# KiCad board JCMuac.kicad_pcb
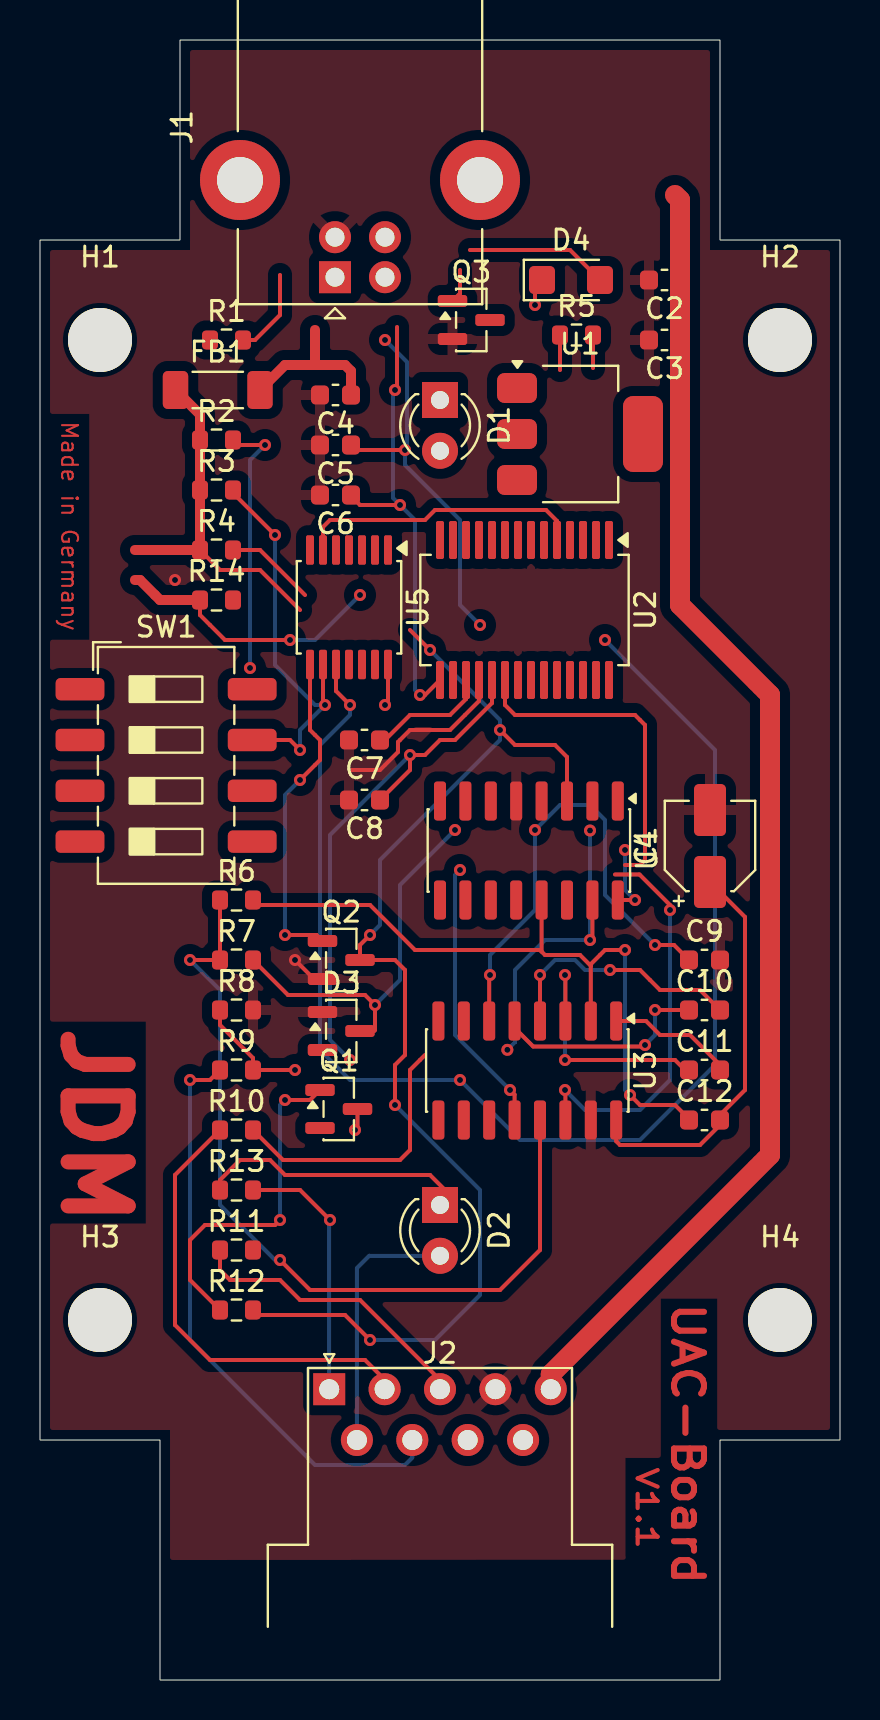
[diagram p0: board, top side]
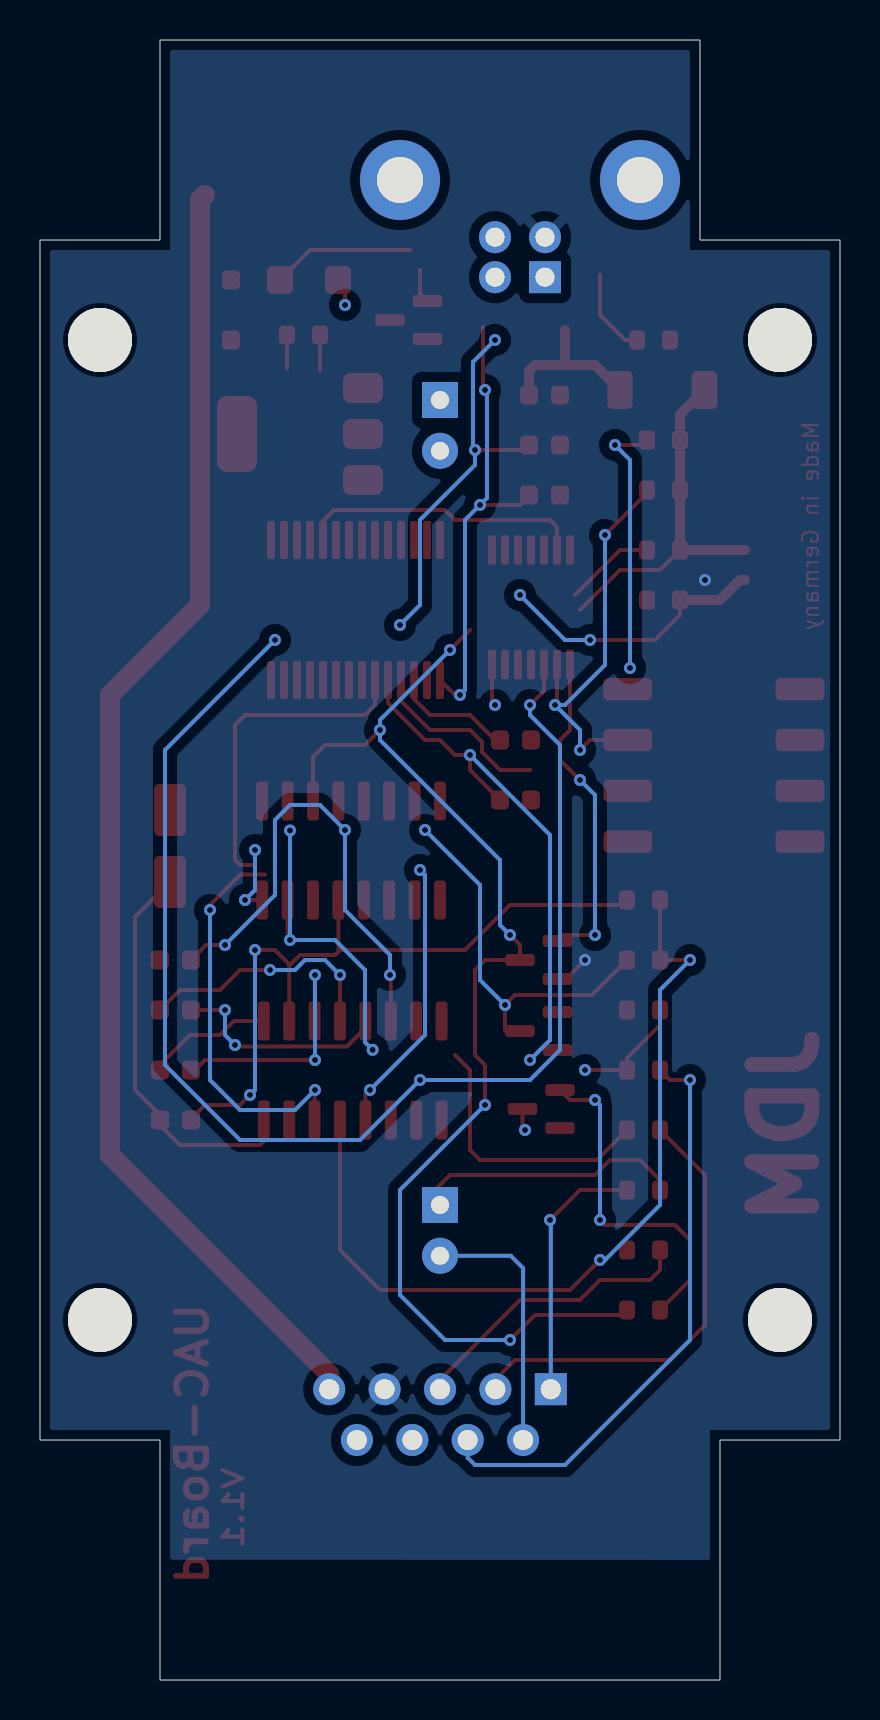
[diagram p1: board, bottom side, seen from below]

Outline 40 x 82 mm; copper layers: Top, Bottom. Coordinates in mm from the lower left corner of the outline.
Outline path: 0,12 0,72 7,72 7,82 34,82 34,72 40,72 40,12 34,12 34,0 6,0 6,12 closed

## Placement (name value [footprint] x y rotation side)
C1  C_Polarized  [CP_Elec_4x3]  33.5 41.7 90 top
C2  C  [C_0603_1608Metric]  31.22 70 180 top
C3  C  [C_0603_1608Metric]  31.22 67 180 top
C4  C  [C_0603_1608Metric]  14.78 64.25 180 top
C5  C  [C_0603_1608Metric]  14.78 61.75 180 top
C6  C  [C_0603_1608Metric]  14.78 59.25 180 top
C7  C  [C_0603_1608Metric]  16.22 47 180 top
C8  C  [C_0603_1608Metric]  16.22 44 180 top
C9  C  [C_0603_1608Metric]  33.22 36 0 top
C10  C  [C_0603_1608Metric]  33.22 33.5 0 top
C11  C  [C_0603_1608Metric]  33.22 30.5 0 top
C12  C  [C_0603_1608Metric]  33.22 28 0 top
D1  LED  [LED_D3.0mm]  20 64 270 top
D2  LED  [LED_D3.0mm]  20 23.75 270 top
D3  BAV99  [SOT-23]  15.06 32.45 0 top
D4  BZD27C15P-M  [D_SMF]  26.55 70 0 top
FB1  FerriteBead  [L_1806_4516Metric]  8.89 64.5 0 top
H1  MountingHole  [MountingHole_3.2mm_M3]  3 67 0 top
H2  MountingHole  [MountingHole_3.2mm_M3]  37 67 0 top
H3  MountingHole  [MountingHole_3.2mm_M3]  3 18 0 top
H4  MountingHole  [MountingHole_3.2mm_M3]  37 18 0 top
J1  USB_B  [USB_B_Lumberg_2411_02_Horizontal]  14.75 70.14 90 top
J2  DE9_Pins  [DSUB-9_Pins_Horizontal_P2.77x2.54mm_EdgePinOffset9.40mm]  14.46 14.54 0 top
Q1  BC807  [SOT-23]  14.94 28.55 0 top
Q2  BSS123  [SOT-23]  15.06 36 0 top
Q3  BSS123  [SOT-23]  21.56 68 0 top
R1  10k  [R_0603_1608Metric]  9.33 67 0 top
R2  10k  [R_0603_1608Metric]  8.83 62 0 top
R3  10k  [R_0603_1608Metric]  8.83 59.5 0 top
R4  10k  [R_0603_1608Metric]  8.83 56.5 0 top
R5  100  [R_0603_1608Metric]  26.82 67.25 0 top
R6  2.2k  [R_0603_1608Metric]  9.83 39 0 top
R7  10k  [R_0603_1608Metric]  9.83 36 0 top
R8  10k  [R_0603_1608Metric]  9.83 33.5 0 top
R9  100  [R_0603_1608Metric]  9.83 30.5 0 top
R10  100  [R_0603_1608Metric]  9.83 27.5 0 top
R11  100  [R_0603_1608Metric]  9.83 21.5 0 top
R12  10k  [R_0603_1608Metric]  9.83 18.5 0 top
R13  1k  [R_0603_1608Metric]  9.83 24.5 0 top
R14  10k  [R_0603_1608Metric]  8.83 54 0 top
SW1  SW_DIP_x04  [SW_DIP_SPSTx04_Slide_6.7x11.72mm_W8.61mm_P2.54mm_LowProfile]  6.31 45.73 0 top
U1  LM317EMP  [SOT-223-3_TabPin2]  27 62.3 0 top
U2  FT232RL  [SSOP-28_5.3x10.2mm_P0.65mm]  24.22 53.5 270 top
U3  ST232C  [SOIC-16_3.9x9.9mm_P1.27mm]  24.37 30.47 270 top
U4  DG413LDY  [SOIC-16_3.9x9.9mm_P1.27mm]  24.44 41.47 270 top
U5  SN74LVC86A  [TSSOP-14_4.4x5mm_P0.65mm]  15.45 53.64 270 top

## Library data of the parts
C1 = -: Description: Polarized capacitor; ki_fp_filters: CP_*
C2-C12 = -: Description: Unpolarized capacitor; ki_fp_filters: C_*
D1 D2 = -: Description: Light emitting diode; Sim.Pins: 1=K 2=A; ki_fp_filters: LED* LED_SMD:* LED_THT:*
D3 = -: Datasheet: https://assets.nexperia.com/documents/data-sheet/BAV99_SER.pdf; Description: BAV99 High-speed switching diodes, SOT-23; ki_fp_filters: SOT?23*
D4 = -: Datasheet: https://www.vishay.com/docs/85153/bzd27series.pdf; Description: 800mW Zener Diode, 3.6-200V, SMF; ki_fp_filters: D*SMF*
FB1 = -: Description: Ferrite bead; ki_fp_filters: Inductor_* L_* *Ferrite*
H1-H4 = -: Description: Mounting Hole without connection; ki_fp_filters: MountingHole*
J1 = -: Description: USB Type B connector; ki_fp_filters: USB*
J2 = -: Description: 9-pin D-SUB connector, pins (male); ki_fp_filters: DSUB*Pins*
Q1 = -: Datasheet: https://www.onsemi.com/pub/Collateral/BC808-D.pdf; Description: 0.8A Ic, 45V Vce, PNP Transistor, SOT-23; Sim.Device: PNP; Sim.Pins: 1=B 2=E 3=C; ki_fp_filters: SOT?23*
Q2 Q3 = -: Datasheet: http://www.diodes.com/assets/Datasheets/ds30366.pdf; Description: 0.17A Id, 100V Vds, N-Channel MOSFET, SOT-23; ki_fp_filters: SOT?23*
R1-R14 = -: Description: Resistor; ki_fp_filters: R_*
SW1 = -: Description: 4x DIP Switch, Single Pole Single Throw (SPST) switch, small symbol; ki_fp_filters: SW?DIP?x4*
U1 = -: Datasheet: http://www.ti.com/lit/ds/symlink/lm317.pdf; Description: 1.5A 35V Adjustable Linear Regulator, SOT-223; ki_fp_filters: SOT?223*TabPin2*
U2 = -: Datasheet: https://www.ftdichip.com/Support/Documents/DataSheets/ICs/DS_FT232R.pdf; Description: USB to Serial Interface, SSOP-28; ki_fp_filters: SSOP*5.3x10.2mm*P0.65mm*
U3 = -: Datasheet: https://www.st.com/resource/en/datasheet/st202eb.pdf; Description: +/-15 kV ESD-protected 5V powered RS-232 dual transceiver (tx/rx: 2/2), 230kbps, 1uF capacitors operation, SOIC-16; ki_fp_filters: *SO*3.9*9.*P1.27mm*
U4 = -: Datasheet: https://datasheets.maximintegrated.com/en/ds/DG411-DG413.pdf; Description: Quad SPST Monolithic CMOS Analog Switches, normally 2xON + 2xOFF, 17Ohm Ron, SOIC-16; ki_fp_filters: SOIC*3.9x9.9mm*P1.27mm*
U5 = -: Datasheet: 74xx/74ls86.pdf; Description: Quad 2-input XOR; ki_fp_filters: DIP*W7.62mm*

## Footprints (pads in the part's own frame, mm; a bottom-side part is the same pattern mirrored in y, then rotated)
C_0603_1608Metric
  rrect 0.9x0.95 smd: 1(-0.775,0) 2(0.775,0)
CP_Elec_4x3
  rrect 2.6x1.6 smd: 1(-1.8,0) 2(1.8,0)
D_SMF
  rrect 1.3x1.4 smd: 1(-1.45,0) 2(1.45,0)
DSUB-9_Pins_Horizontal_P2.77x2.54mm_EdgePinOffset9.40mm
  rect 1.6x1.6 hole 1: 1(0,0)
  round 1.6 hole 1: 2(2.77,0) 3(5.54,0) 4(8.31,0) 5(11.08,0) 6(1.385,-2.54) 7(4.155,-2.54) 8(6.925,-2.54) 9(9.695,-2.54)
L_1806_4516Metric
  rrect 1.275x1.9 smd: 1(-2.112,0) 2(2.112,0)
LED_D3.0mm
  rect 1.8x1.8 hole 0.9: 1(0,0)
  round 1.8 hole 0.9: 2(2.54,0)
MountingHole_3.2mm_M3
  round 3.2 hole 3.2 unplated: (0,0)
R_0603_1608Metric
  rrect 0.8x0.95 smd: 1(-0.825,0) 2(0.825,0)
SOIC-16_3.9x9.9mm_P1.27mm
  rrect 1.95x0.6 smd: 1(-2.475,4.445) 2(-2.475,3.175) 3(-2.475,1.905) 4(-2.475,0.635) 5(-2.475,-0.635) 6(-2.475,-1.905) 7(-2.475,-3.175) 8(-2.475,-4.445) 9(2.475,-4.445) 10(2.475,-3.175) 11(2.475,-1.905) 12(2.475,-0.635) 13(2.475,0.635) 14(2.475,1.905) 15(2.475,3.175) 16(2.475,4.445)
SOT-23
  rrect 1.475x0.6 smd: 1(-0.938,0.95) 2(-0.938,-0.95) 3(0.938,0)
SOT-223-3_TabPin2
  rrect 2x1.5 smd: 1(-3.15,2.3) 2(-3.15,0) 3(-3.15,-2.3)
  rrect 2x3.8 smd: 2(3.15,0)
SSOP-28_5.3x10.2mm_P0.65mm
  rrect 1.9x0.4 smd: 1(-3.5,4.225) 2(-3.5,3.575) 3(-3.5,2.925) 4(-3.5,2.275) 5(-3.5,1.625) 6(-3.5,0.975) 7(-3.5,0.325) 8(-3.5,-0.325) 9(-3.5,-0.975) 10(-3.5,-1.625) 11(-3.5,-2.275) 12(-3.5,-2.925) 13(-3.5,-3.575) 14(-3.5,-4.225) 15(3.5,-4.225) 16(3.5,-3.575) 17(3.5,-2.925) 18(3.5,-2.275) 19(3.5,-1.625) 20(3.5,-0.975) 21(3.5,-0.325) 22(3.5,0.325) 23(3.5,0.975) 24(3.5,1.625) 25(3.5,2.275) 26(3.5,2.925) 27(3.5,3.575) 28(3.5,4.225)
SW_DIP_SPSTx04_Slide_6.7x11.72mm_W8.61mm_P2.54mm_LowProfile
  rrect 2.44x1.12 smd: 1(-4.305,3.81) 2(-4.305,1.27) 3(-4.305,-1.27) 4(-4.305,-3.81) 5(4.305,-3.81) 6(4.305,-1.27) 7(4.305,1.27) 8(4.305,3.81)
TSSOP-14_4.4x5mm_P0.65mm
  rrect 1.475x0.4 smd: 1(-2.862,1.95) 2(-2.862,1.3) 3(-2.862,0.65) 4(-2.862,0) 5(-2.862,-0.65) 6(-2.862,-1.3) 7(-2.862,-1.95) 8(2.862,-1.95) 9(2.862,-1.3) 10(2.862,-0.65) 11(2.862,0) 12(2.862,0.65) 13(2.862,1.3) 14(2.862,1.95)
USB_B_Lumberg_2411_02_Horizontal
  rect 1.6x1.6 hole 0.95: 1(0,0)
  round 1.6 hole 0.95: 2(0,-2.5) 3(2,-2.5) 4(2,0)
  round 4 hole 2.3: 5(4.86,4.75) 5(4.86,-7.25)

## Nets
GND: C1.2 C2.2 C3.2 C4.2 C5.2 C6.2 C7.2 C8.2 C9.2 D3.1 J1.4 J2.4 Q2.2 Q3.2 R8.2 U2.7 U2.18 U2.21 U2.25 U3.15 U4.5
VBUS: C4.1 FB1.2 J1.1
D+: C6.1 J1.3 U2.15
D-: C5.1 J1.2 U2.16
Net-(C2-Pad1): C2.1 C3.1 J2.5
Net-(D2-A): D2.2 J2.6
Net-(D2-K): D2.1 R13.1
Net-(D3-K-Pad3): D3.3 R7.2
Net-(FB1-Pad1): FB1.1 R2.1 R3.1 R4.1
Net-(J2-Pad1): J2.1 R13.2
Net-(J2-Pad2): J2.2 R10.1
Net-(J2-Pad3): J2.3 R11.1
Net-(J2-Pad7): J2.7 R9.1
Net-(Q1-B): Q1.1 R12.1
Net-(Q2-D): Q2.3 R12.2 U4.3
Net-(Q2-G): Q2.1 U5.8
Net-(R3-Pad2): R3.2 SW1.7 U5.9
Net-(R8-Pad1): R8.1 R9.2
Net-(U2-3V3OUT): C7.1 U2.17
Net-(U2-RXD): U2.5 U5.6
Net-(U2-~{RESET}): C8.1 U2.19
Net-(U3-C1+): C11.2 U3.1
Net-(U3-C1-): C11.1 U3.3
Net-(U3-C2+): C10.2 U3.4
Net-(U3-C2-): C10.1 U3.5
Net-(U3-R1IN): R6.1 R7.1 U3.13
Net-(U3-VCC): C1.1 C12.2 U3.16
Net-(U3-VS+): C12.1 R6.2 U3.2 U4.13
Net-(U3-VS-): C9.1 U3.6

Pads without a net: D1 1 2; D3 2; D4 1 2; J1 5; J2 8 9; Q1 2 3; Q3 1 3; R1 1 2; R2 2; R4 2; R5 1 2; R10 2; R11 2; R14 1 2; SW1 1 2 3 4 5 6 8; U1 1 2 3; U2 1 2 3 4 6 8 9 10 11 12 13 14 20 22 23 24 26 27 28; U3 7 8 9 10 11 12 14; U4 1 2 4 6 7 8 9 10 11 12 14 15 16; U5 1 2 3 4 5 7 10 11 12 13 14

## Via types
v1: diameter 0.6, hole 0.3, Top to Bottom, 59 vias

## Routing (per net, layer and track width the routed paths; a pad name or vN(x,y) marks a point on that pad's centre or on a via; arc(x,y) is an arc through that point)
GND: length 11
  Top w0.2: v1(12.75,36) 13.7,35.05 Q2.2 ; 15.5,45.5 17,45.5 17.9,46.4 17.9,46.9 18.5,47.5 20.5,47.5 21.95,48.95 U2.18
  vias: v1(6.75,55)
VBUS: length 8.1
  Top w0.5: 13.75,65.75 13.75,67.5 ; 13.75,65.75 15.25,65.75 15.55,65.45 C4.1 ; 13.75,65.75 12.25,65.75 FB1.2
D+: length 23
  Top w0.2: 17.85,67.65 17.85,64.6 v1(17.75,64.5) ; C6.1 15.55,59.2 16,58.75 v1(18,58.75) ; v1(19,49.25) 19.25,49.25 U2.15
  Bottom w0.2: v1(19,49.25) 18.75,49.5 18.75,58 v1(18,58.75) 17.65,59.1 17.65,64.4 v1(17.75,64.5)
D-: length 19.1
  Top w0.2: C5.1 15.8,61.5 v1(18.25,61.5)
  Bottom w0.2: v1(22,52.75) 21,53.75 21,58 18.25,60.75 v1(18.25,61.5) 18.35,61.6 18.35,65.9 v1(17.25,67)
Net-(C2-Pad1): length 66.2
  Top w1: 31.75,74.25 32,74 C3.1 32,53.75 36.5,49.25 36.5,26.25 25.54,15.29 J2.5
Net-(D2-A): length 13
  Bottom w0.2: D2.2 16.46,21.21 15.84,20.59 J2.6
Net-(D2-K): length 13.6
  Top w0.2: D2.1 20.25,24 20.25,24.5 19.5,25.25 12.25,25.25 11.5,26 10,26 9,25 R13.1
Net-(D3-K-Pad3): length 19.5
  Top w0.2: R7.2 12.4,34.25 16.25,34.25 v1(16.75,33.75) 16.75,32.5 16.7,32.45 D3.3
  Bottom w0.2: v1(16.75,33.75) 18,35 18,39.75 v1(20.75,42.5)
Net-(FB1-Pad1): length 18
  Top w0.2: R4.1 9,55.5 11,55.5 13,53.5
  Top w0.5: FB1.1 8,63.28 R2.1 R4.1 4.75,56.5
Net-(J2-Pad1): length 12.9
  Top w0.2: R13.2 13,24.5 v1(14.5,23)
  Bottom w0.2: J2.1 14.46,22.96 v1(14.5,23)
Net-(J2-Pad2): length 22.8
  Top w0.2: R10.1 6.75,25.25 6.75,17.75 8.5,16 16.25,16 17.23,15.02 J2.2
Net-(J2-Pad3): length 14.7
  Top w0.2: R11.1 9,20.5 9.5,20 12,20 13,19 16,19 20,15 J2.3
Net-(J2-Pad7): length 29.4
  Top w0.2: R9.1 8.5,30 v1(7.5,30)
  Bottom w0.2: v1(7.5,30) 7.5,17 13.75,10.75 18.25,10.75 18.62,11.11 J2.7
Net-(Q1-B): length 17.1
  Top w0.2: R12.1 7.5,20 7.5,22 8.25,22.75 11.75,22.75 v1(12,23) ; v1(12.25,29) 13.5,29 Q1.1
  Bottom w0.2: v1(12.25,29) 12,28.75 v1(12,23)
Net-(Q2-D): length 61
  Top w0.2: v1(16.5,37.25) 16,36.75 Q2.3 17.75,36 18.25,35.5 18.25,31.25 17.75,30.75 v1(17.75,28.75) ; v1(19.5,51.5) 18.5,52.5 ; v1(23,47.5) 23.75,46.75 25.75,46.75 26.35,46.15 U4.3 ; v1(16.5,17) 15.25,18.25 10.9,18.25 R12.2
  Bottom w0.2: v1(19.5,51.5) 23,48 v1(23,47.5) 23,47 17,41 17,37.75 v1(16.5,37.25) ; v1(16.5,17) 19.75,17 22,19.25 22,24.5 v1(17.75,28.75)
Net-(Q2-G): length 16.8
  Top w0.2: v1(13,45) 14,46 14,47 13.5,47.5 U5.8 ; Q2.1 13.82,37.25 ; 13.82,37.25 13.5,37.25 ; 13.82,37.25 v1(12.25,37.25)
  Bottom w0.2: v1(12.25,37.25) 12.25,44.25 v1(13,45)
Net-(R3-Pad2): length 20.4
  Top w0.2: U5.9 14.15,48.85 v1(14.25,48.75) ; SW1.7 12.5,47 v1(13,46.5) ; v1(11.75,57.25) 9.65,59.35 R3.2
  Bottom w0.2: v1(11.75,57.25) 11.75,50.75 13.75,48.75 v1(14.25,48.75) 13,47.5 v1(13,46.5)
Net-(R8-Pad1): length 5.8
  Top w0.2: v1(12.75,30.5) R9.2 10.65,31.1 9,32.75 R8.1
Net-(U2-3V3OUT): length 6.1
  Top w0.2: C7.1 17.25,47 18.5,48.25 20.5,48.25 21.3,49.05 U2.17
Net-(U2-RXD): length 14.4
  Top w0.2: U2.5 25.85,57.95 25.3,58.5 19.75,58.5 19.25,58 14.5,58 14.15,57.65 U5.6
Net-(U2-~{RESET}): length 26.5
  Top w0.2: U2.19 22.6,48.85 20.75,47 20,47 19.25,46.25 v1(18.5,46.25) 18.5,45.5 C8.1
  Bottom w0.2: v1(15.5,31) 14.5,32 14.5,42.25 v1(18.5,46.25)
Net-(U3-C1+): length 6.4
  Top w0.2: C11.2 34,30.75 32.5,32.25 31,32.25 30.3,32.95 U3.1
Net-(U3-C1-): length 13
  Top w0.2: C11.1 32.25,30.5 31.75,31 v1(26.25,31) ; v1(26.25,35.25) 26.27,35.23 U3.3
  Bottom w0.2: v1(26.25,35.25) v1(26.25,31)
Net-(U3-C2+): length 12.6
  Top w0.2: C10.2 33,34.5 31,34.5 30,35.5 v1(28.5,35.5) ; U3.4 v1(25,35.25)
  Bottom w0.2: v1(25,35.25) 25.75,36 26.75,36 27.25,35.5 v1(28.5,35.5)
Net-(U3-C2-): length 10.9
  Top w0.2: v1(30.25,31.75) 30.17,31.67 24.66,31.67 23.73,32.6 U3.5 ; C10.1 v1(30.75,33.5)
  Bottom w0.2: v1(30.25,31.75) 30.75,32.25 v1(30.75,33.5)
Net-(U3-R1IN): length 42.5
  Top w0.2: v1(12,21) 13.5,19.5 23,19.5 25,21.5 U3.13 ; R6.1 R7.1 v1(7.5,36)
  Bottom w0.2: v1(7.5,36) 9,34.5 9,23.75 11.75,21 v1(12,21)
Net-(U3-VCC): length 20.1
  Top w0.2: C1.1 35.25,38.15 35.25,29.5 34,28.25 C12.2 34,27.75 33,26.75 29,26.75 28.81,26.94 U3.16
Net-(U3-VS+): length 36.6
  Top w0.2: 27.54,35.71 27,36.25 25.25,36.25 25,36.5 ; 27.54,35.71 U3.2 ; 27.54,35.71 27.54,35.79 28.25,36.5 v1(29.25,36.5) ; U4.13 25.08,36.42 25,36.5 ; 25,36.5 18.75,36.5 16.5,38.75 10.9,38.75 R6.2 ; v1(29.5,29.25) 30,28.75 31.75,28.75 32.45,28.05 C12.1
  Bottom w0.2: v1(29.25,36.5) 29.25,29.5 v1(29.5,29.25)
Net-(U3-VS-): length 24.1
  Top w0.2: C9.1 31.7,36.75 v1(30.75,36.75) ; U3.6 22.46,35.21 v1(22.5,35.25)
  Bottom w0.2: v1(30.75,36.75) 28.25,39.25 28.25,43 27.5,43.75 26,43.75 v1(24.75,42.5) 24.75,38.5 22.5,36.25 v1(22.5,35.25)
unconnected-(D4-A-Pad2): length 7.1
  Top w0.2: D4.2 26.5,71.5 21.5,71.5
unconnected-(D4-K-Pad1): length 1.4
  Top w0.2: v1(24.75,68.75) 24.75,69.65 D4.1
unconnected-(Q1-C-Pad3): length 1.1
  Top w0.2: Q1.3 15.88,27.62 v1(15.75,27.5)
unconnected-(Q3-G-Pad1): length 1.7
  Top w0.2: Q3.1 21,69.33 21,70.5
unconnected-(R1-Pad2): length 4.4
  Top w0.2: R1.2 10.75,67 12,68.25 12,70.25
unconnected-(R2-Pad2): length 13.2
  Top w0.2: v1(11.25,61.75) 9.9,61.75 R2.2
  Bottom w0.2: v1(10.5,50.6) 10.5,61 v1(11.25,61.75)
unconnected-(R4-Pad2): length 4.5
  Top w0.2: R4.2 11,56.5 13.25,54.25
unconnected-(R5-Pad1): length 1.8
  Top w0.2: R5.1 26,65.5
unconnected-(R5-Pad2): length 1.7
  Top w0.2: R5.2 27.65,65.6
unconnected-(R10-Pad2): length 13.7
  Top w0.2: R10.2 12.15,26 18,26 18.5,26.5 18.5,30.5 19.25,31.25
unconnected-(R14-Pad1): length 13.9
  Top w0.2: R14.1 8,53.25 9.25,52 v1(12.5,52)
  Top w0.5: 4.75,55 5,55 6,54 R14.1
  Bottom w0.2: v1(12.5,52) 13.75,52 v1(16,54.25)
unconnected-(U2-VCC-Pad20): length 16.5
  Top w0.2: 29.25,40.75 30,40.75 30.25,41 30.25,47.75 29.75,48.25 23.75,48.25 23.25,48.75 U2.20
unconnected-(U3-R1OUT-Pad12): length 13.8
  Top w0.2: U3.12 23.73,29.27 v1(23.5,29.5)
  Bottom w0.2: v1(23.5,29.5) 20.75,32.25 20.75,40.25 v1(21,40.5)
unconnected-(U3-T1OUT-Pad14): length 19.9
  Top w0.2: v1(31.5,38.5) 31.5,38.75 29.97,40.28 28.75,40.28 ; v1(26.25,29.5) 26.27,29.48 U3.14
  Bottom w0.2: v1(31.5,38.5) 31.5,30 30,28.5 27.25,28.5 v1(26.25,29.5)
unconnected-(U4-Pad15): length 16
  Top w0.2: v1(27.5,37) 27.62,37.12 U4.15
  Bottom w0.2: v1(27.5,42.47) v1(27.5,37) 25.25,37 23.75,35.5 23.75,31.89 v1(23.37,31.51)
unconnected-(U4-Pad16): length 3.6
  Top w0.2: U4.16 v1(29.75,39)
  Bottom w0.2: v1(29.75,39) 29.25,39.5 v1(29.25,41.5)
unconnected-(U5-Pad10): length 66.9
  Top w0.2: v1(15.5,48.75) 14.8,49.45 U5.10
  Bottom w0.2: v1(28.25,52) 33.75,46.5 33.75,30.75 30,27 24,27 v1(21,30) 15.5,30 14,31.5 14,46.75 15.5,48.25 v1(15.5,48.75)
unconnected-(U5E-VCC-Pad14): length 2.1
  Top w0.2: v1(17.25,48.75) 17.4,48.9 U5.14

## Copper pours and planes (outline as drawn; the poured copper is in the pictures)
GND on Top, Bottom: 7.5,81.5 7.5,71.5 0.5,71.5 0.5,12.5 6.5,12.5 6.5,6 33.5,6.01 33.5,12.5 39.5,12.5 39.5,71.5 33.5,71.5 33.5,81.5

## Text on the board
Top: Made in Germany | V1.1 | UAC-Board | JDM
